# Altium PCB Enigma Rev B.PcbDoc (part 3 of 8) (continued)
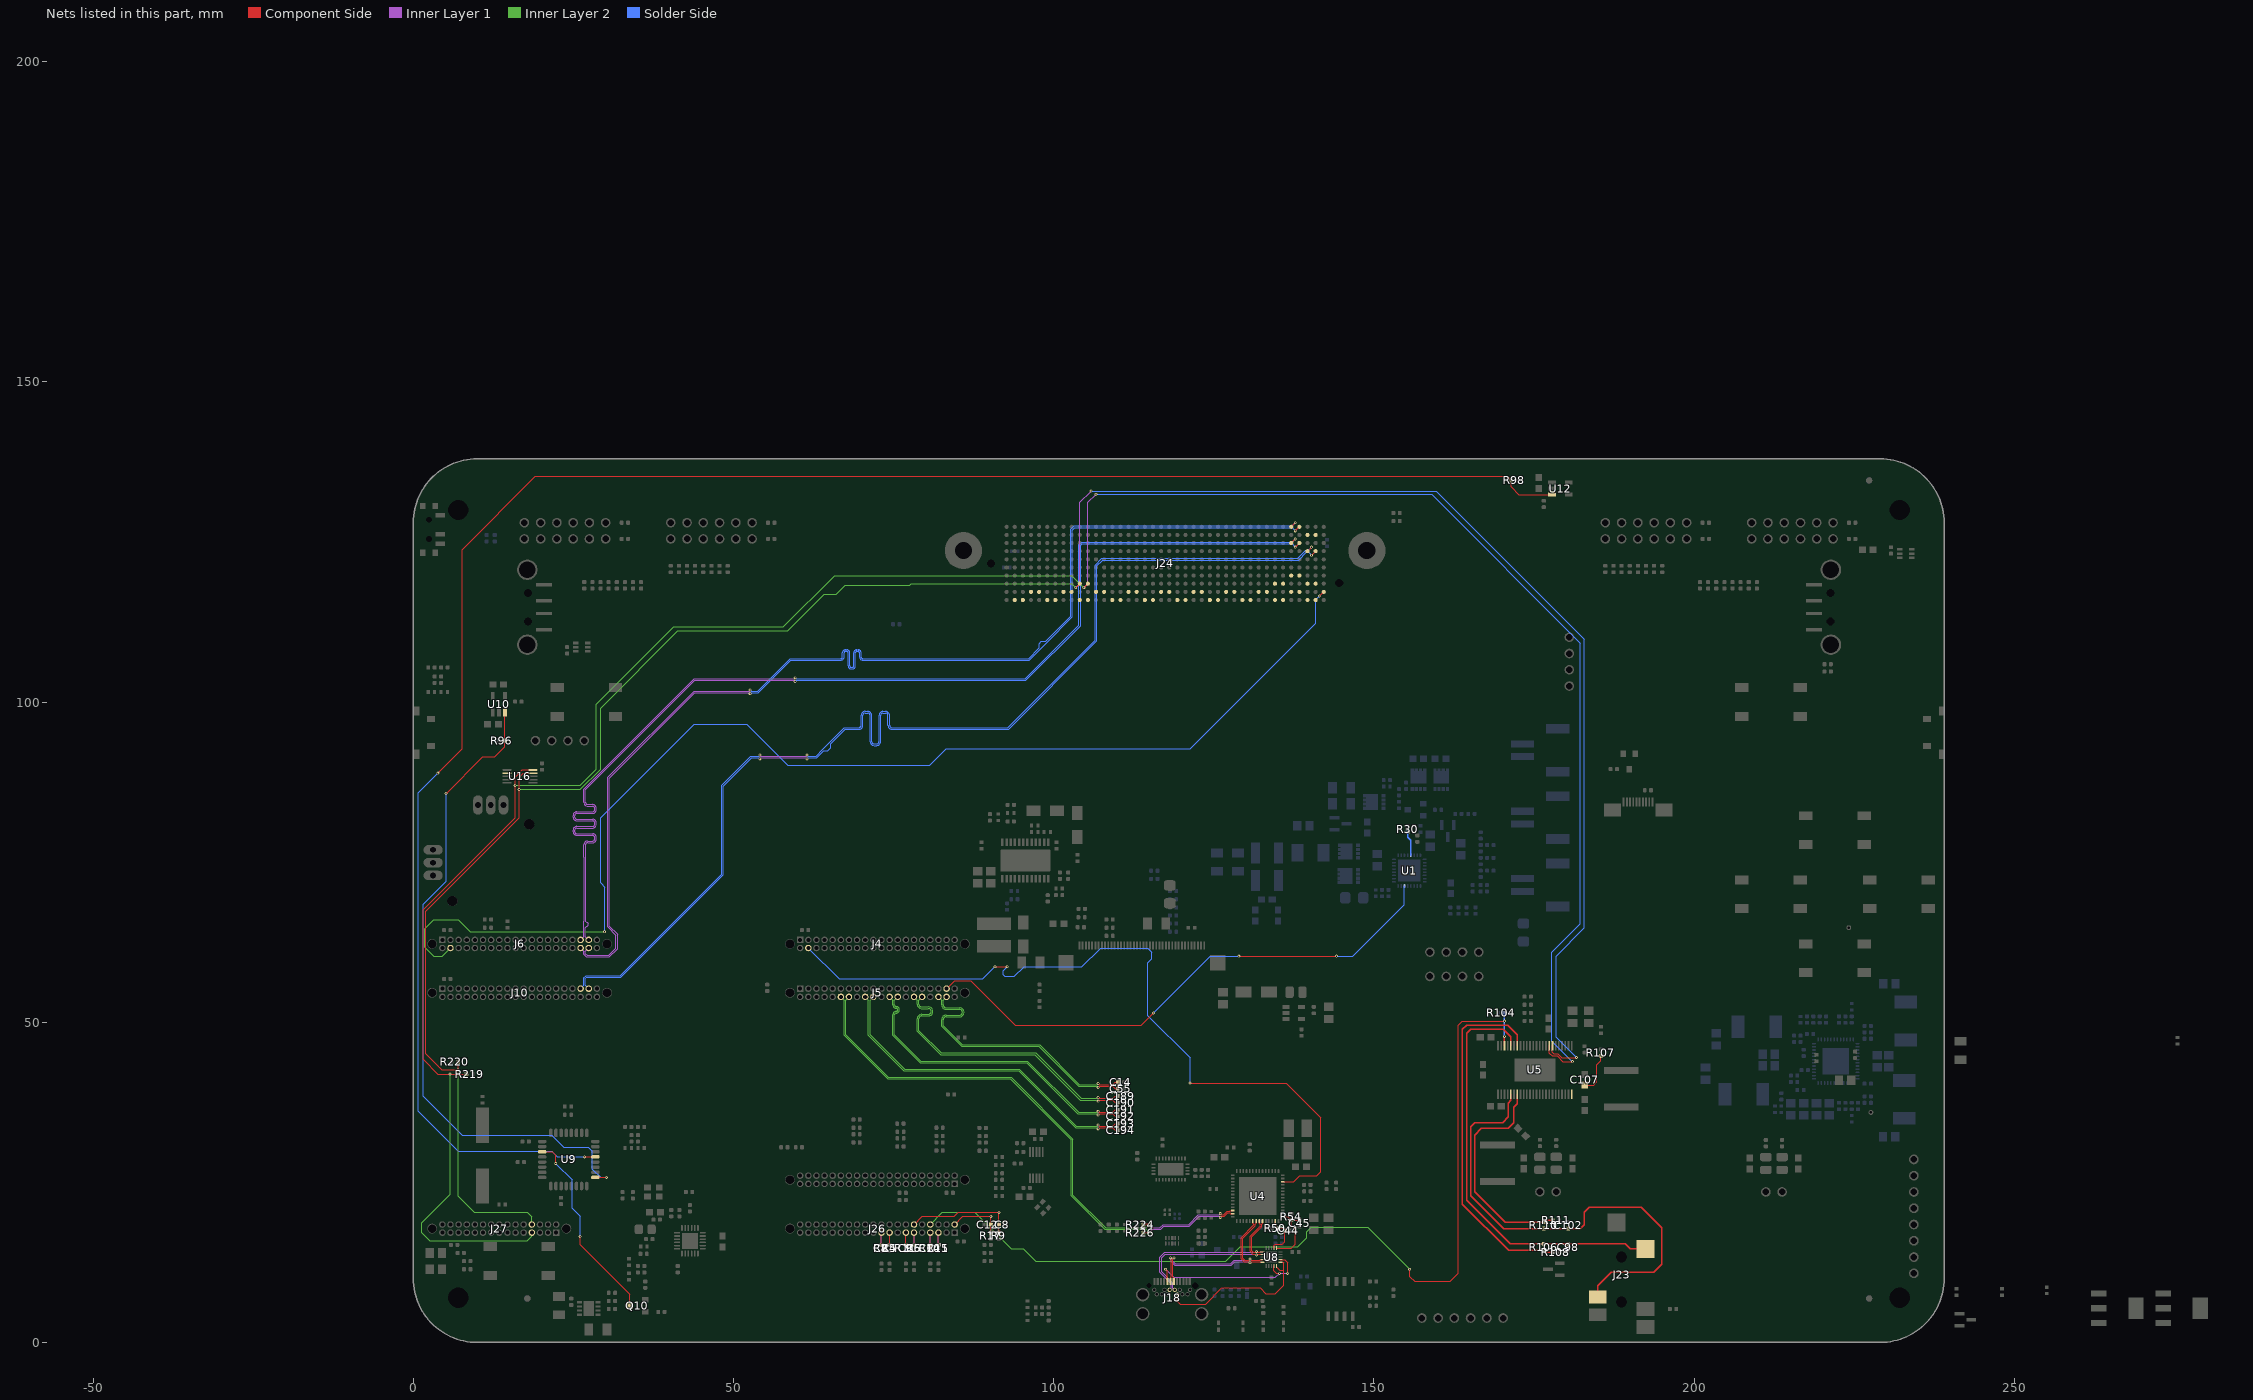
[diagram p7: the nets of this part, all layers, seen from the top]
## Part data (continued)
R187: "RES SMD 118K OHM 1% 1/16W 0402", Case=0402, Manufacturer="Stackpole Electronics Inc", Manufacturer Part Number=RMCF0402FT118K, Operating Temperature="-55°C ~ 155°C", Package / Case="0402 (1005 Metric)", Power (Watts)=1/16W, Resistance (Ohms)=118k, Resistance In Ohms=118K, Supplier Part Number 1=RMCF0402FT118KCT-ND, Temperature Coefficient=±100ppm/°C, Tolerance=±1%, Category=Resistors, ComponentLink1Description=http://www.seielect.com/Catalog/SEI-RMCF_RMCP.pdf, ComponentLink1URL=http://www.seielect.com/Catalog/SEI-RMCF_RMCP.pdf, Composition="Thick Film", Features="Automotive AEC-Q200", Height="0.016\" (0.40mm)", Number of Terminations=2, Packaging="Cut Tape (CT)", Pricing 1="1=0.1, 10=0.025, 50=0.0138, 100=0.0105, 250=0.0078, 500=0.00576, 1000=0.00384, 2500=0.00324, 5000=0.0027 (USD)", RoHS="RoHS Compliant", Size / Dimension="0.039\" L x 0.020\" W (1.00mm x 0.50mm)", Stock 1=43108, Supplier 1=Digi-Key, Supplier Device Package=0402
R188 R192 R196 R200: "RES 22.0K OHM 1/10W 1% 0402 SMD", Case=0402, Manufacturer="Vishay Dale", Manufacturer Part Number=CRCW040222K0FKED, Package / Case="0402 (1005 Metric)", Power (Watts)=1/10W, Resistance (Ohms)=22k, Resistance In Ohms=22.0K, Supplier Part Number 1=541-22.0KLCT-ND, Temperature Coefficient=±100ppm/°C, Tolerance=±1%, Category=Resistors, ComponentLink1Description=http://www.vishay.com/doc?20035, ComponentLink1URL=http://www.vishay.com/doc?20035, Composition="Thick Film", Features=-, Height="0.016\" (0.40mm)", Number of Terminations=2, Packaging="Cut Tape (CT)", Pricing="10=0.083, 50=0.0444, 200=0.0255, 1000=0.0174 (USD)", RoHS="RoHS Compliant", Size / Dimension="0.039\" L x 0.020\" W (1.00mm x 0.50mm)", Stock 1=15892, Supplier 1=Digi-Key
R190: "RES SMD 6.49K OHM 1% 1/16W 0402", Case=0402, Manufacturer="Samsung Electro-Mechanics America, Inc.", Manufacturer Part Number=RC1005F6491CS, Operating Temperature="-55°C ~ 155°C", Package / Case="0402 (1005 Metric)", Power (Watts)=1/16W, Resistance (Ohms)=6.49k, Supplier Part Number 1=1276-4096-1-ND, Temperature Coefficient=±100ppm/°C, Tolerance=±1%, Category=Resistors, ComponentLink1Description=http://media.digikey.com/pdf/Data%20Sheets/Samsung%20PDFs/RC_Series_ds.pdf, ComponentLink1URL=http://media.digikey.com/pdf/Data%20Sheets/Samsung%20PDFs/RC_Series_ds.pdf, Composition="Thick Film", Features=-, Height="0.016\" (0.40mm)", Number of Terminations=2, Packaging="Cut Tape (CT)", Pricing 1="1=0.1, 10=0.013, 25=0.0096, 50=0.0074, 100=0.0054, 250=0.00412, 500=0.00328, 1000=0.00242, 2500=0.0021 (USD)", Resistance In Ohms=6.49k, RoHS="RoHS Compliant", Size / Dimension="0.039\" L x 0.020\" W (1.00mm x 0.50mm)", Stock 1=45311, Supplier 1=Digi-Key, Supplier Device Package="0402 (1005 Metric)"
R191: "RES 69.8K OHM 1/16W 1% 0402 SMD", Case=0402, Manufacturer=Yageo, Manufacturer Part Number=RC0402FR-0769K8L, Operating Temperature="-55°C ~ 155°C", Package / Case="0402 (1005 Metric)", Power (Watts)=1/16W, Resistance In Ohms=69.8K, Supplier Part Number 1=YAG3216CT-ND, Temperature Coefficient=±100ppm/°C, Tolerance=±1%, Category=Resistors, ComponentLink1Description=http://www.yageo.com/documents/recent/PYu-RC_Group_51_RoHS_L_7.pdf, ComponentLink1URL=http://www.yageo.com/documents/recent/PYu-RC_Group_51_RoHS_L_7.pdf, Composition="Thick Film", Failure Rate=-, Features="Moisture Resistant", Height - Seated (Max)="0.016\" (0.40mm)", Packaging="Cut Tape (CT)", Part Status=Active, Pricing 1="1=0.1, 10=0.014, 100=0.0055, 1000=0.00247, 2500=0.00214, 5000=0.00177 (USD)", RoHS="RoHS Compliant", Size / Dimension="0.039\" L x 0.020\" W (1.00mm x 0.50mm)", Stock 1=160383, Supplier 1=Digi-Key, Supplier Device Package=0402
R193: "RES 16.2K OHM 1/16W 1% 0402 SMD", Case=0402, Manufacturer=Yageo, Manufacturer Part Number=RC0402FR-0716K2L, Package / Case="0402 (1005 Metric)", Power (Watts)=1/16W, Resistance (Ohms)=16.2K, Supplier Part Number 1=311-16.2KLRCT-ND, Temperature Coefficient=±100ppm/°C, Tolerance=±1%, Category=Resistors, ComponentLink1Description=http://www.yageo.com/documents/recent/PYu-RC0402_51_RoHS_L_6.pdf, ComponentLink1URL=http://www.yageo.com/documents/recent/PYu-RC0402_51_RoHS_L_6.pdf, Composition="Thick Film", Features=-, Height="0.016\" (0.40mm)", Number of Terminations=2, Packaging="Cut Tape (CT)", Pricing="10=0.014, 50=0.0104, 100=0.0079, 250=0.00584, 500=0.00432, 1000=0.00288 (USD)", Resistance In Ohms=16.2K, RoHS="RoHS Compliant", Size / Dimension="0.039\" L x 0.020\" W (1.00mm x 0.50mm)", Stock 1=103870, Supplier 1=Digi-Key
R194 R198: "RES SMD 10.2K OHM 1% 1/16W 0402", Case=0402, Manufacturer="Stackpole Electronics Inc.", Manufacturer Part Number=RMCF0402FT10K2, Operating Temperature="-55°C ~ 155°C", Package / Case="0402 (1005 Metric)", Power (Watts)=1/16W, Resistance (Ohms)=10.2k, Supplier Part Number 1=RMCF0402FT10K2CT-ND, Temperature Coefficient=±100ppm/°C, Tolerance=±1%, Category=Resistors, ComponentLink1Description=http://www.seielect.com/Catalog/SEI-RMCF_RMCP.pdf, ComponentLink1URL=http://www.seielect.com/Catalog/SEI-RMCF_RMCP.pdf, Composition="Thick Film", Features="Automotive AEC-Q200", Height="0.016\" (0.40mm)", Number of Terminations=2, Packaging="Cut Tape (CT)", Pricing 1="1=0.1, 10=0.019, 50=0.0106, 100=0.0078, 250=0.00596, 500=0.00476, 1000=0.0035, 2500=0.00304, 5000=0.00251 (USD)", Resistance In Ohms=10.2k, RoHS="RoHS Compliant", Size / Dimension="0.039\" L x 0.020\" W (1.00mm x 0.50mm)", Stock 1=69477, Supplier 1=Digi-Key, Supplier Device Package=0402
R195: "RES 36.0K OHM 1/10W 1% 0402 SMD", Case=0402, Manufacturer="Panasonic - ECG", Manufacturer Part Number=ERJ-2RKF3602X, Package / Case="0402 (1005 Metric)", Power (Watts)=1/16W, Resistance (Ohms)=36K, Supplier Part Number 1=P36.0KLCT-ND, Temperature Coefficient=±100ppm/°C, Tolerance=±1%, Category=Resistors, ComponentLink1Description=http://industrial.panasonic.com/www-cgi/jvcr13pz.cgi?E+PZ+3+AOA0002+ERJ2RKF3602X+7+WW, ComponentLink1URL=http://industrial.panasonic.com/www-cgi/jvcr13pz.cgi?E+PZ+3+AOA0002+ERJ2RKF3602X+7+WW, Composition="Thick Film", Features=-, Height="0.016\" (0.40mm)", Number of Terminations=2, Packaging="Cut Tape (CT)", Pricing="1=0.06, 50=0.0242, 100=0.0184, 250=0.01364, 500=0.01008, 1000=0.00672, 5000=0.00473 (USD)", Resistance In Ohms=36K, RoHS="RoHS Compliant", Size / Dimension="0.039\" L x 0.020\" W (1.00mm x 0.50mm)", Stock 1=39656, Supplier 1=Digi-Key
R199: "RES 47.0K OHM 1/10W 1% 0402 SMD", Case=0402, Manufacturer="Panasonic - ECG", Manufacturer Part Number=ERJ-2RKF4702X, Package / Case="0402 (1005 Metric)", Power (Watts)=1/10W, Resistance (Ohms)=47K, Resistance In Ohms=47.0K, Supplier Part Number 1=P47.0KLCT-ND, Temperature Coefficient=±100ppm/°C, Tolerance=±1%, Category=Resistors, ComponentLink1Description=http://industrial.panasonic.com/www-cgi/jvcr13pz.cgi?E+PZ+3+AOA0002+ERJ2RKF4702X+7+WW, ComponentLink1URL=http://industrial.panasonic.com/www-cgi/jvcr13pz.cgi?E+PZ+3+AOA0002+ERJ2RKF4702X+7+WW, Composition="Thick Film", Features=-, Height="0.014\" (0.35mm)", Number of Terminations=2, Packaging="Cut Tape (CT)", Pricing="1=0.06, 50=0.0242, 100=0.0184, 250=0.01364, 500=0.01008, 1000=0.00672, 5000=0.00473 (USD)", RoHS="RoHS Compliant", Size / Dimension="0.039\" L x 0.020\" W (1.00mm x 0.50mm)", Stock 1=503654, Supplier 1=Digi-Key
R202: "RES SMD 442K OHM 1% 1/16W 0402", Case=0402, Manufacturer=Yageo, Manufacturer Part Number=RC0402FR-07442KL, Operating Temperature="-55°C ~ 155°C", Package / Case="0402 (1005 Metric)", Power (Watts)=1/16W, Resistance In Ohms=442k, Supplier Part Number 1=311-442KLRCT-ND, Temperature Coefficient=±100ppm/°C, Tolerance=±1%, Category=Resistors, ComponentLink1Description=http://www.yageo.com/documents/recent/PYu-RC_Group_51_RoHS_L_7.pdf, ComponentLink1URL=http://www.yageo.com/documents/recent/PYu-RC_Group_51_RoHS_L_7.pdf, Composition="Thick Film", Failure Rate=-, Features="Moisture Resistant", Height - Seated (Max)="0.016\" (0.40mm)", Packaging="Cut Tape (CT)", Part Status=Active, Pricing 1="1=0.1, 10=0.014, 100=0.0056, 1000=0.00253, 2500=0.0022, 5000=0.00181 (USD)", RoHS="RoHS Compliant", Size / Dimension="0.039\" L x 0.020\" W (1.00mm x 0.50mm)", Stock 1=113995, Supplier 1=Digi-Key, Supplier Device Package=0402
R208 R209 R210 R211 R215 R216 R219 R220: library part R_0402_2.2K, "RES 2.20K OHM 1/10W 1% 0402 SMD", Case=0402, Manufacturer=Yageo, Manufacturer Part Number=RC0402FR-072K2L, Package / Case="0402 (1005 Metric)", Power (Watts)=1/10W, Resistance (Ohms)=2.2K, Supplier Part Number 1=311-2.20KLRCT-ND, Temperature Coefficient=±100ppm/°C, Tolerance=±1%, Category=Resistors, ComponentLink1Description=http://www.yageo.com/documents/recent/PYu-RC0402_51_RoHS_L_6.pdf, ComponentLink1URL=http://www.yageo.com/documents/recent/PYu-RC0402_51_RoHS_L_6.pdf, ComponentLink2Description=http://www.seielect.com/Catalog/SEI-RMCF_RMCP.pdf, ComponentLink2URL=http://www.seielect.com/Catalog/SEI-RMCF_RMCP.pdf, Composition="Thick Film", Features=-, Height="0.016\" (0.40mm)", Number of Terminations=2, Packaging="Cut Tape (CT)", Pricing="10=0.014, 100=0.0063, 500=0.00382, 1000=0.0027, 5000=0.00203 (USD)", Resistance In Ohms=2.2K, RoHS="RoHS Compliant", Size / Dimension="0.039\" L x 0.020\" W (1.00mm x 0.50mm)", Stock 1=0, Stock 2=39712, Supplier 1=Digi-Key, Supplier 2=Digi-Key, Supplier Part Number 2=RMCF0402FT2K20CT-ND
R223: "RES SMD 2.2K OHM 1% 1/10W 0402", Case=0402, Manufacturer="Panasonic Electronic Components", Manufacturer Part Number=ERJ-2RKF2201X, Operating Temperature="-55°C ~ 155°C", Package / Case="0402 (1005 Metric)", Power (Watts)=1/16W, Resistance (Ohms)=2.2k, Resistance In Ohms=2.2K, Supplier Part Number 1=P2.20KLCT-ND, Temperature Coefficient=±100ppm/°C, Tolerance=±1%, Category=Resistors, ComponentLink1Description=http://industrial.panasonic.com/www-cgi/jvcr13pz.cgi?E+PZ+3+AOA0002+ERJ2RKF2201X+7+WW, ComponentLink1URL=http://industrial.panasonic.com/www-cgi/jvcr13pz.cgi?E+PZ+3+AOA0002+ERJ2RKF2201X+7+WW, Composition="Thick Film", Features="Automotive AEC-Q200", Height="0.016\" (0.40mm)", Number of Terminations=2, Packaging="Cut Tape (CT)", Pricing 1="1=0.1, 50=0.015, 100=0.011, 250=0.0084, 500=0.00674, 1000=0.00496, 5000=0.00355 (USD)", RoHS="RoHS Compliant", Size / Dimension="0.039\" L x 0.020\" W (1.00mm x 0.50mm)", Stock 1=1256647, Supplier 1=Digi-Key, Supplier Device Package=0402
R224 R226: "RES 49.9 OHM 1/16W 1% 0402 SMD", Manufacturer="Stackpole Electronics Inc", Manufacturer Part Number=RMCF0402FT49R9, Package / Case=0402, Power (Watts)=1/16W, Resistance (Ohms)=49.9, Supplier Part Number 1=RMCF0402FT49R9DKR-ND, Temperature Coefficient=±200ppm/°C, Tolerance=±1%, Category=Resistors, ComponentLink1Description=http://www.seielect.com/Catalog/SEI-RMC.pdf, ComponentLink1URL=http://www.seielect.com/Catalog/SEI-RMC.pdf, Composition="Thick Film", Features=-, Height="0.014\" (0.35mm)", Lead Style="Surface Mount (SMD - SMT)", Packaging=Digi-Reel®, Pricing="1=0.04, 10=0.025, 50=0.0138, 100=0.0105, 250=0.0078, 500=0.00576, 1000=0.00384 (USD)", RoHS="RoHS Compliant", Size / Dimension="0.039\" L x 0.020\" W (1.00mm x 0.50mm)", Stock 1=717348, Supplier 1=Digi-Key
R225: library part R_0402_1.5K, "RES 1.50K OHM 1/10W 1% 0402 SMD", Case=0402, Manufacturer="Panasonic - ECG", Manufacturer Part Number=ERJ-2RKF1501X, Package / Case="0402 (1005 Metric)", Power (Watts)=1/10W, Resistance (Ohms)=1.5K, Supplier Part Number 1=P1.50KLCT-ND, Temperature Coefficient=±100ppm/°C, Tolerance=±1%, Category=Resistors, ComponentLink1Description=http://industrial.panasonic.com/www-cgi/jvcr13pz.cgi?E+PZ+3+AOA0002+ERJ2RKF1501X+7+WW, ComponentLink1URL=http://industrial.panasonic.com/www-cgi/jvcr13pz.cgi?E+PZ+3+AOA0002+ERJ2RKF1501X+7+WW, Composition="Thick Film", Features=-, Height="0.016\" (0.40mm)", Number of Terminations=2, Packaging="Cut Tape (CT)", Pricing="1=0.06, 50=0.0242, 100=0.0184, 250=0.01364, 500=0.01008, 1000=0.00672, 5000=0.00473 (USD)", Resistance In Ohms=1.5K, RoHS="RoHS Compliant", Size / Dimension="0.039\" L x 0.020\" W (1.00mm x 0.50mm)", Stock 1=1109737, Supplier 1=Digi-Key
S1 S2 S5 S6 S7 S9 S11: "SWITCH TACTILE SPST-NO 0.05A 24V", Manufacturer="TE Connectivity Alcoswitch", Manufacturer Part Number=FSM4JSMLXTR, Max Operating Temperature=85°C, Min Operating Temperature=-35°C, Operating Force=70gf, Package Quantity=4800, Supplier Part Number 1=450-2057-1-ND, Actuator Material=Nylon,Polyamide, Illumination Type=Non-Illuminated, Mechanical Life=1000000Cycles, Packaging="Tape and Reel", Pricing 1="1=0.68, 10=0.655, 25=0.6428, 50=0.6184, 100=0.5335, 500=0.4607, 1000=0.3637, 1200=0.3066 (USD)", Stock 1=4653, Supplier 1=Digikey, Switch Travel=0.25mm, Termination="Gull Wing", Throw Configuration=SPST
S3 S4: "SWITCH TACTILE SPST-NO 0.05A 12V", Case/Package=SMD/SMT, Colour=Black, Contact Resistance=100mR, Current Rating=50mA, Manufacturer=E-Switch, Manufacturer Part Number=TL3330AF130QG, Max Operating Temperature=70°C, Max Voltage Rating (DC)=12V, Min Operating Temperature=-30°C, Operating Force=130gf, Package Quantity=1, Supplier Part Number 1=EG4388CT-ND, Actuator Length=1mm, Actuator Material=Nylon,Polyamide, ComponentLink1Description=https://datasheet.ciiva.com/2900/p010950-2900785.pdf, ComponentLink1URL=https://datasheet.ciiva.com/2900/p010950-2900785.pdf, ComponentLink2Description=https://datasheet.ciiva.com/2900/p010950-2900786.pdf, ComponentLink2URL=https://datasheet.ciiva.com/2900/p010950-2900786.pdf, ComponentLink3Description=https://datasheet.ciiva.com/2900/p010950-2900787.pdf, ComponentLink3URL=https://datasheet.ciiva.com/2900/p010950-2900787.pdf, ComponentLink4Description=https://datasheet.ciiva.com/23713/tl3330-23713381.pdf, ComponentLink4URL=https://datasheet.ciiva.com/23713/tl3330-23713381.pdf, Contact Material=Silver, Contact Plating=Silver, Electrical Life=50000Cycles, Illumination Type=Non-Illuminated,Illuminated, Lead Free="Lead Free", Mechanical Life=50000Cycles, Mount="Surface Mount", Orientation="Right Angle", Packaging="Tape and Reel", Pricing 1="1=0.47, 10=0.448, 25=0.44, 50=0.4236, 100=0.3654, 250=0.3322, 500=0.3156, 1000=0.2492 (USD)", REACH SVHC="No SVHC", Stock 1=47904, Supplier 1=Digikey, Switch Travel=0.25mm, Termination="Gull Wing", Throw Configuration=SPST, Voltage Rating (DC)=12V
S8: Manufacturer="Adafruit Industries", Manufacturer Part Number=2765, Resistance=10KR, Supplier Part Number 1=1528-1730-ND, Height=0.472inch, Length=0.707inch, Packaging=Bulk, Pricing 1="1=2.5, 10=2.25 (USD)", Stock 1=0, Supplier 1=Digikey, Width=0.697inch
S10: library part S_MICRO_SLIDE_SWITCH_ON_OFF, "SWITCH SLIDE SPDT 300MA 6V", Current Rating="300mA (DC)", Manufacturer="C&K Components", Manufacturer Part Number=PCM12SMTR, Operating Force=-, Operating Temperature="-20°C ~ 85°C", Supplier Part Number 1=401-2016-1-ND, Voltage Rating - DC=6V, Actuator Length=1.50mm, Actuator Material="Polyamide (PA46), Nylon 4/6", Actuator Type=Standard, Category=Switches, Circuit=SPDT, ComponentLink1Description=http://www.ck-components.com/index.php?module=media&action=Display&cmpref=14389&lang=en&width=&height=&format=&alt=, ComponentLink1URL=http://www.ck-components.com/index.php?module=media&action=Display&cmpref=14389&lang=en&width=&height=&format=&alt=, Contact Finish=Silver, Contact Material="Copper Alloy", Contact Timing="Not Specified", Electrical Life=-, Features=-, Mechanical Life="10,000 Cycles", Mounting Type="Surface Mount, Right Angle", Packaging="Cut Tape (CT)", Pricing 1="1=0.82, 10=0.787, 25=0.7704, 50=0.6884, 100=0.6556, 250=0.6392, 500=0.54088, 1000=0.52448 (USD)", RoHS="RoHS Compliant", Stock 1=29326, Supplier 1=Digi-Key, Switch Function=On-On, Switch Travel=1.50mm, Termination Style="Gull Wing", Voltage Rating - AC=-
T1 T2: "OSCILLOSCOPE TEST POINT"
U1: "IC BATTERY MANAGER 32VQFN", Battery Pack Voltage=-, Manufacturer="Texas Instrument", Manufacturer Part Number=BQ40Z60RHBT, Operating Temperature="-40°C ~ 85°C (TA)", Package / Case="32-VFQFN Exposed Pad", Supplier Device Package="32-VQFN (5x5)", Supplier Part Number 1=296-38618-1-ND, Voltage - Supply (Max)=26V, Battery Chemistry=Lithium-Ion/Polymer, Category="Integrated Circuits (ICs)", Charge Current - Max=-, ComponentLink1Description=http://www.ti.com/lit/ds/symlink/bq40z60.pdf, ComponentLink1URL=http://www.ti.com/lit/ds/symlink/bq40z60.pdf, Current - Charging=-, Fault Protection="Over Current, Short Circuit", Interface=SMBus, Number of Cells="2 ~ 4", Packaging="Cut Tape (CT)", Part Status=Active, Pricing 1="1=7.63, 10=6.918, 100=5.7023 (USD)", Programmable Features=-, RoHS="RoHS Compliant", Stock 1=2505, Supplier 1=Digi-Key
U2: "IC MUX/DEMUX 4CH TYPE C2 28WQFN", Alternate PartNumber=HD3SS460RHRT, Manufacturer="Texas Instruments", Max Operating Temperature=70°C, Max Supply Voltage=3.6V, Min Operating Temperature=0°C, Min Supply Voltage=3V, PartNumber=HD3SS460RHRR, Supplier Part Number 1=296-42085-6-ND, Bandwidth=5.4GHz, ComponentLink1Description=http://www.ti.com/general/docs/lit/getliterature.tsp?genericPartNumber=HD3SS460&&fileType=pdf, ComponentLink1URL=http://www.ti.com/general/docs/lit/getliterature.tsp?genericPartNumber=HD3SS460&&fileType=pdf, CompType=IC, Data Rate=5.4Gbps, Lead Free="Lead Free", Manufacturer Part Number=HD3SS460RHRT, Mount="Surface Mount", MountType=SMT, Number of Pins=28, Number of Ports=4, PackageReference=RHR0028A, PIN_COUNT=29, Pricing 1="1=3.11, 10=2.792, 100=2.2877 (USD)", Product Type=Passive, REACH SVHC="No SVHC", RoHS=Y, Stock 1=503, Supplier 1=Digikey
U3: "3V, 8Mbit, Serial Flash Memory with Dual and Qual SPI, SOIC-8", Manufacturer="Winbond Electronics", Manufacturer Part Number="W25Q80DVSNIG TR", Operating Temperature="-40°C ~ 85°C (TA)", Package / Case="8-SOIC (0.154\", 3.90mm Width)", Supplier Device Package=8-SOIC, Supplier Part Number 1="W25Q80DVSNIG CT-ND", Voltage - Supply="2.7 V ~ 3.6 V", Access Time=-, Category="Integrated Circuits (ICs)", ComponentLink1Description=https://www.winbond.com/resource-files/w25q80dv_revg_07212015.pdf, ComponentLink1URL=https://www.winbond.com/resource-files/w25q80dv_revg_07212015.pdf, Memory Format=FLASH, Memory Interface=SPI, Memory Size="8Mb (1M x 8)", Memory Type=Non-Volatile, Mounting Type="Surface Mount", Packaging="Cut Tape (CT)", Part Status=Active, Pricing 1="1=0.53 (USD)", RoHS="RoHS Compliant", Stock 1=106661, Supplier 1=Digi-Key, Technology="FLASH - NOR", Write Cycle Time - Word, Page=3ms
U4: library part U_TPS65981ABQWRWERQ1, "USB, Type-C Controller PMIC 56-QFN (8x8)", Manufacturer="Texas Instruments (TI)", Manufacturer Part Number=TPS65981ABIRTQR, Supplier Part Number 1=TPS65981ABIRTQR-ND, Lead Free="Lead Free", Number of Pins=56, Pricing 1="2000=3.0577 (USD)", Stock 1=0, Supplier 1=Digikey
U5: "IC AUDIO AMP DGTL D 48HTSSOP", Case/Package="HTSSOP EP", Manufacturer 1="Texas Instruments", Manufacturer Part Number 1=TAS5760LDDCAR, Max Operating Temperature=85°C, Min Operating Temperature=-25°C, Package Quantity=2000, Power Supply Rejection Ratio (PSRR)=40dB, Supplier Part Number 1=296-40567-6-ND, ComponentLink1Description=http://www.ti.com/lit/ds/symlink/tas5760l.pdf, ComponentLink1URL=http://www.ti.com/lit/ds/symlink/tas5760l.pdf, ComponentLink2Description=https://datasheet.ciiva.com/29639/tas5760l-29639378.pdf, ComponentLink2URL=https://datasheet.ciiva.com/29639/tas5760l-29639378.pdf, ComponentLink3Description=https://datasheet.ciiva.com/29896/tas5760ld-29896300.pdf, ComponentLink3URL=https://datasheet.ciiva.com/29896/tas5760ld-29896300.pdf, Description 1="Audio Amp Headphone/Speaker 1-CH Mono/2-CH Stereo 30W Class-D 48-Pin HTSSOP EP T/R", Lead Free="Lead Free", Mount="Surface Mount", Number of Pins=48, Packaging="Tape and Reel", Pricing 1="1=5.5, 10=4.94, 100=4.0471, 500=3.44524, 1000=2.90563 (USD)", Radiation Hardening=No, Stock 1=1210, Supplier 1=Digi-Key
U6 U7: library part U_SP3010-04UTG, "TVS ARRAY ESD 4CH .45PF 8KV UDFN", Manufacturer="Littelfuse Inc", Manufacturer Part Number=SP3010-04UTG, Package / Case=10-UFDFN, Power (Watts)=-, Supplier Device Package="10-µDFN (2.5x1.0)", Supplier Part Number 1=F3507CT-ND, Voltage - Reverse Standoff (Typ)=6V, Category="Circuit Protection", ComponentLink1Description=http://www.littelfuse.com/data/en/Data_Sheets/Littelfuse_TVS_Diode_Array_SPA_SP3010.pdf, ComponentLink1URL=http://www.littelfuse.com/data/en/Data_Sheets/Littelfuse_TVS_Diode_Array_SPA_SP3010.pdf, Mounting Type="Surface Mount", Packaging="Cut Tape (CT)", Polarization="4 Channel Array - Bidirectional", Pricing="1=0.99, 10=0.866, 25=0.7656, 100=0.6672, 250=0.5808, 500=0.4944, 1000=0.396 (USD)", RoHS="RoHS Compliant", Stock 1=1559, Supplier 1=Digi-Key, Voltage - Breakdown=-
U8: "USB Type C Interface Protector: Short-to-VBUS Over Voltage and IEC 61000-4-2 ESD Protection, RUK0020B", Manufacturer="Texas Instruments (TI)", Manufacturer Part Number=TPD8S300RUKR, Package / Case="20-WFQFN Exposed Pad", Power (Watts)=-, Supplier Device Package="20-WQFN (3x3)", Supplier Part Number 1=296-45177-1-ND, Voltage - Clamping=8V, Voltage - Working=3.3V, Applications="USB OTG", Category="Circuit Protection", ComponentLink1Description=http://www.ti.com/lit/ds/symlink/tpd8s300.pdf, ComponentLink1URL=http://www.ti.com/lit/ds/symlink/tpd8s300.pdf, Mounting Type="Surface Mount", Packaging="Cut Tape (CT)", Part Status=Active, Pricing 1="1=2.65, 10=2.377, 100=1.9109, 500=1.56998, 1000=1.30084 (USD)", RoHS="RoHS Compliant", Stock 1=2504, Supplier 1=Digi-Key, Technology="Internal Switch"
U9: "IC 2/3-PORT USB HUB 32-LQFP", Current - Supply=40mA, Manufacturer="Texas Instruments", Manufacturer Part Number=TUSB2036VF, Operating Temperature="0°C ~ 70°C", Package / Case=32-LQFP, Supplier Device Package="32-LQFP (7x7)", Supplier Part Number 1=296-11086-ND, Voltage - Supply="3 V ~ 3.6 V", Category="Integrated Circuits (ICs)", ComponentLink1Description=http://www.ti.com/lit/ds/symlink/tusb2036.pdf, ComponentLink1URL=http://www.ti.com/lit/ds/symlink/tusb2036.pdf, Function="Hub Controller", Interface=USB, Packaging=Tray, Part Status=Active, Pricing 1="1=3.22, 10=2.889, 100=2.3673, 500=2.01524, 1000=1.6996 (USD)", Protocol=USB, RoHS="RoHS Compliant", Standards="USB 2.0", Stock 1=822, Supplier 1=Digi-Key
U10 U12: library part U_NCP361SNT1G, "IC USB POS OVP/OCP 5TSOP", Manufacturer="ON Semiconductor", Manufacturer Part Number=NCP361SNT1G, Package / Case="6-TSOP (0.059\", 1.50mm Width) 5 leads", Power (Watts)=-, Supplier Device Package=5-TSOP, Supplier Part Number 1=NCP361SNT1GOSCT-ND, Voltage - Working="1.2 ~ 20V", Applications="General Purpose", Category="Circuit Protection", ComponentLink1Description=http://www.onsemi.com/pub_link/Collateral/NCP361-D.PDF, ComponentLink1URL=http://www.onsemi.com/pub_link/Collateral/NCP361-D.PDF, Number of Circuits=1, Packaging="Cut Tape (CT)", Pricing 1="1=0.74, 10=0.65, 25=0.5744, 100=0.5004, 250=0.4356, 500=0.3708, 1000=0.297 (USD)", RoHS="RoHS Compliant", Stock 1=3029, Supplier 1=Digi-Key, Technology="Mixed Technology", Voltage - Clamping=-
U11 U13: library part U_USB_TVS_SCV70, "TVS DIODE 5VWM 25VC SC70-6", Capacitance @ Frequency="3pF @ 1MHz", Current - Peak Pulse (10/1000µs)="6A (8/20µs)", Manufacturer="Semtech Corporation", Manufacturer Part Number=RCLAMP0504FATCT, Operating Temperature="-55°C ~ 125°C (TJ)", Package / Case="6-TSSOP, SC-88, SOT-363", Power - Peak Pulse=150W, Power Line Protection=Yes, Supplier Device Package=SC-70-6, Supplier Part Number 1=RCLAMP0504FATCTCT-ND, Voltage - Breakdown (Min)=6V, Voltage - Clamping (Max) @ Ipp=25V, Voltage - Reverse Standoff (Typ)="5V (Max)", Applications="USB OTG", Bidirectional Channels=-, Category="Circuit Protection", ComponentLink1Description=http://www.semtech.com/images/datasheet/rclamp0504fa.pdf, ComponentLink1URL=http://www.semtech.com/images/datasheet/rclamp0504fa.pdf, Mounting Type="Surface Mount", Packaging="Cut Tape (CT)", Part Status=Active, Pricing 1="1=1.25, 10=1.107, 25=0.9996, 100=0.8747, 250=0.76756, 500=0.6783, 1000=0.5355 (USD)", RoHS="RoHS Compliant", Stock 1=13620, Supplier 1=Digi-Key, Type="Steering (Rail to Rail)", Unidirectional Channels=4
U14: "24MHz CMOS XO (Standard) Oscillator", Current - Supply (Disable) (Max)=10µA, Current - Supply (Max)=5mA, Frequency=24MHz, Frequency Stability=±50ppm, Manufacturer="AVX Corp/Kyocera Corp", Manufacturer Part Number=KC2520B24.0000C10E00, Operating Temperature="-10°C ~ 70°C", Package / Case="4-SMD, No Lead", Ratings=-, Supplier Part Number 1=478-4778-1-ND, Voltage - Supply="1.6 V ~ 3.63 V", Category="Crystals, Oscillators, Resonators", ComponentLink1Description=http://global.kyocera.com/prdct/electro/product/pdf/kc2520b_c1_e.pdf, ComponentLink1URL=http://global.kyocera.com/prdct/electro/product/pdf/kc2520b_c1_e.pdf, Function="Standby (Power Down)", Height - Seated (Max)="0.028\" (0.70mm)", Mounting Type="Surface Mount", Output=CMOS, Packaging="Cut Tape (CT)", Part Status=Active, Pricing 1="1=1.41, 10=1.348, 50=1.3168, 100=1.1286, 500=1.09726, 1000=0.92483 (USD)", RoHS="RoHS Compliant", Size / Dimension="0.098\" L x 0.079\" W (2.50mm x 2.00mm)", Stock 1=6138, Supplier 1=Digi-Key, Type="XO (Standard)"
U15: "IC TXRX USB FLEXPWR 24QFN", Manufacturer="Microchip Technology", Manufacturer Part Number=USB3315C-CP-TR, Operating Temperature="-40°C ~ 85°C", Package / Case="24-VFQFN Exposed Pad", Supplier Device Package="24-QFN (4x4)", Supplier Part Number 1=USB3315C-CP-CT-ND, Voltage - Supply="1.8 V ~ 3.3 V", Category="Integrated Circuits (ICs)", ComponentLink1Description=http://www.microchip.com/mymicrochip/filehandler.aspx?ddocname=en562026, ComponentLink1URL=http://www.microchip.com/mymicrochip/filehandler.aspx?ddocname=en562026, Data Rate=-, Duplex=-, Mounting Type="Surface Mount", Number of Drivers/Receivers=1/1, Packaging="Cut Tape (CT)", Part Status=Active, Pricing 1="1=1.28, 25=1.0712, 100=0.9682 (USD)", Protocol="USB 2.0", RoHS="RoHS Compliant", Stock 1=12400, Supplier 1=Digi-Key, Type=Transceiver
U16: "IC ADC 12BIT I2C W/REF 10-MSOP", Manufacturer="Texas Instruments", Manufacturer Part Number=ADS1015IDGST, Operating Temperature="-40°C ~ 125°C", Package / Case="10-TFSOP, 10-MSOP (0.118\", 3.00mm Width)", Supplier Device Package=10-VSSOP, Supplier Part Number 1=296-25227-1-ND, Voltage - Supply, Analog="2 V ~ 5.5 V", Architecture=Sigma-Delta, Category="Integrated Circuits (ICs)", ComponentLink1Description=http://www.ti.com/lit/ds/symlink/ads1013.pdf, ComponentLink1URL=http://www.ti.com/lit/ds/symlink/ads1013.pdf, Configuration=MUX-PGA-ADC, Data Interface=I²C, Features=PGA, Input Type="Differential, Single Ended", Number of A/D Converters=1, Number of Bits=12-BIT, Number of Inputs="2, 4", Packaging="Cut Tape (CT)", Pricing 1="1=3.42, 10=3.065, 25=2.756, 100=2.5067 (USD)", Ratio - S/H:ADC=1:1, Reference Type=Internal, RoHS="RoHS Compliant", Sampling Rate (Per Second)=3.3k, Stock 1=1516, Supplier 1=Digi-Key, Voltage - Supply, Digital="2 V ~ 5.5 V"
U17: "IC LCD SUPPLY TFT QUAD 24HTSSOP", Manufacturer="Texas Instruments", Manufacturer Part Number=TPS65105PWPR, Operating Temperature="-40°C ~ 85°C", Package / Case="24-TSSOP (0.173\", 4.40mm Width) Exposed Pad", Supplier Device Package=24-HTSSOP, Supplier Part Number 1=296-18992-1-ND, Voltage - Input="2.7 V ~ 5.8 V", Voltage - Output=Multiple, Applications="Controller, TFT LCD", Category="Integrated Circuits (ICs)", ComponentLink1Description=http://www.ti.com/lit/ds/symlink/tps65100.pdf, ComponentLink1URL=http://www.ti.com/lit/ds/symlink/tps65100.pdf, Mounting Type="Surface Mount", Number of Outputs=4, Packaging="Cut Tape (CT)", Part Status=Active, Pricing 1="1=2.84, 10=2.549, 100=2.0888, 500=1.7782, 1000=1.49968 (USD)", RoHS="RoHS Compliant", Stock 1=2905, Supplier 1=Digi-Key
U18: "IC DRVR WT/OLED BCKLT SOT23-5", Constant Current=Yes, Constant Voltage=-, Frequency="1.2MHz ~ 2MHz", Manufacturer="Texas Instruments", Manufacturer Part Number=LM3410XMFE/NOPB, Operating Temperature="-40°C ~ 125°C", Package / Case="SC-74A, SOT-753", Supplier Device Package=SOT-23-5, Supplier Part Number 1=LM3410XMFE/NOPBCT-ND, Voltage - Output="3 V ~ 24 V", Voltage - Supply="2.7 V ~ 5.5 V", Category="Integrated Circuits (ICs)", ComponentLink1Description=http://www.ti.com/lit/ds/symlink/lm3410.pdf, ComponentLink1URL=http://www.ti.com/lit/ds/symlink/lm3410.pdf, Internal Driver=Yes, Mounting Type="Surface Mount", Number of Outputs=1, Packaging="Cut Tape (CT)", Pricing="1=2.98, 10=2.67, 25=2.4012, 100=2.1839 (USD)", RoHS="RoHS Compliant", Stock 1=405, Supplier 1=Digi-Key, Topology="PWM, SEPIC, Step-Up (Boost)", Type - Primary="Automotive, Backlight, Flash/Torch", Type - Secondary="High Brightness LED (HBLED), OLED, White LED"
U19: library part U_SI5351, "IC CLK GENERATOR 200MHZ 10MSOP", Frequency - Max=200MHz, Manufacturer="Silicon Labs", Operating Temperature="-40°C ~ 85°C", Package / Case="10-TFSOP, 10-MSOP (0.118\", 3.00mm Width)", Supplier Device Package=10-MSOP, Supplier Part Number 1=336-3908-1-ND, TEMPERATURE=-40/85C, Voltage - Supply="1.71 V ~ 3.6 V", VOLTS=VCC=1.7~3.6V, Category="Integrated Circuits (ICs)", ComponentLink1Description=http://www.silabs.com/documents/public/data-sheets/Si5351-B.pdf, ComponentLink1URL=http://www.silabs.com/documents/public/data-sheets/Si5351-B.pdf, Differential - Input:Output=No/No, Divider/Multiplier=Yes/No, Input=Crystal, Manufacturer Part Number=SI5351A-B-GT, Mounting Type="Surface Mount", Output=LVCMOS, Packaging="Cut Tape (CT)", Part Status=Active, PLL=Yes, Pricing 1="1=0.92, 25=0.8816, 100=0.8475 (USD)", Ratio - Input:Output=1:3, RoHS="RoHS Compliant", Stock 1=2160, Supplier 1=Digi-Key, Type="Clock Generator"